# Altium PCB SPG300 Rev05.PcbDoc (part 4 of 8)
Units mm, origin at the board's own origin, x right, y up, seen from the top; angles counter-clockwise.
Board outline 176 x 152 mm, 6 copper layers (Top Layer, GND, Layer 1, Layer 2, PWR, Bottom Layer), stack 1.924 mm thick; 738 components, 393 nets, 2440 pads, 974 vias.
Unrouted connection lines stored in the file: 395.
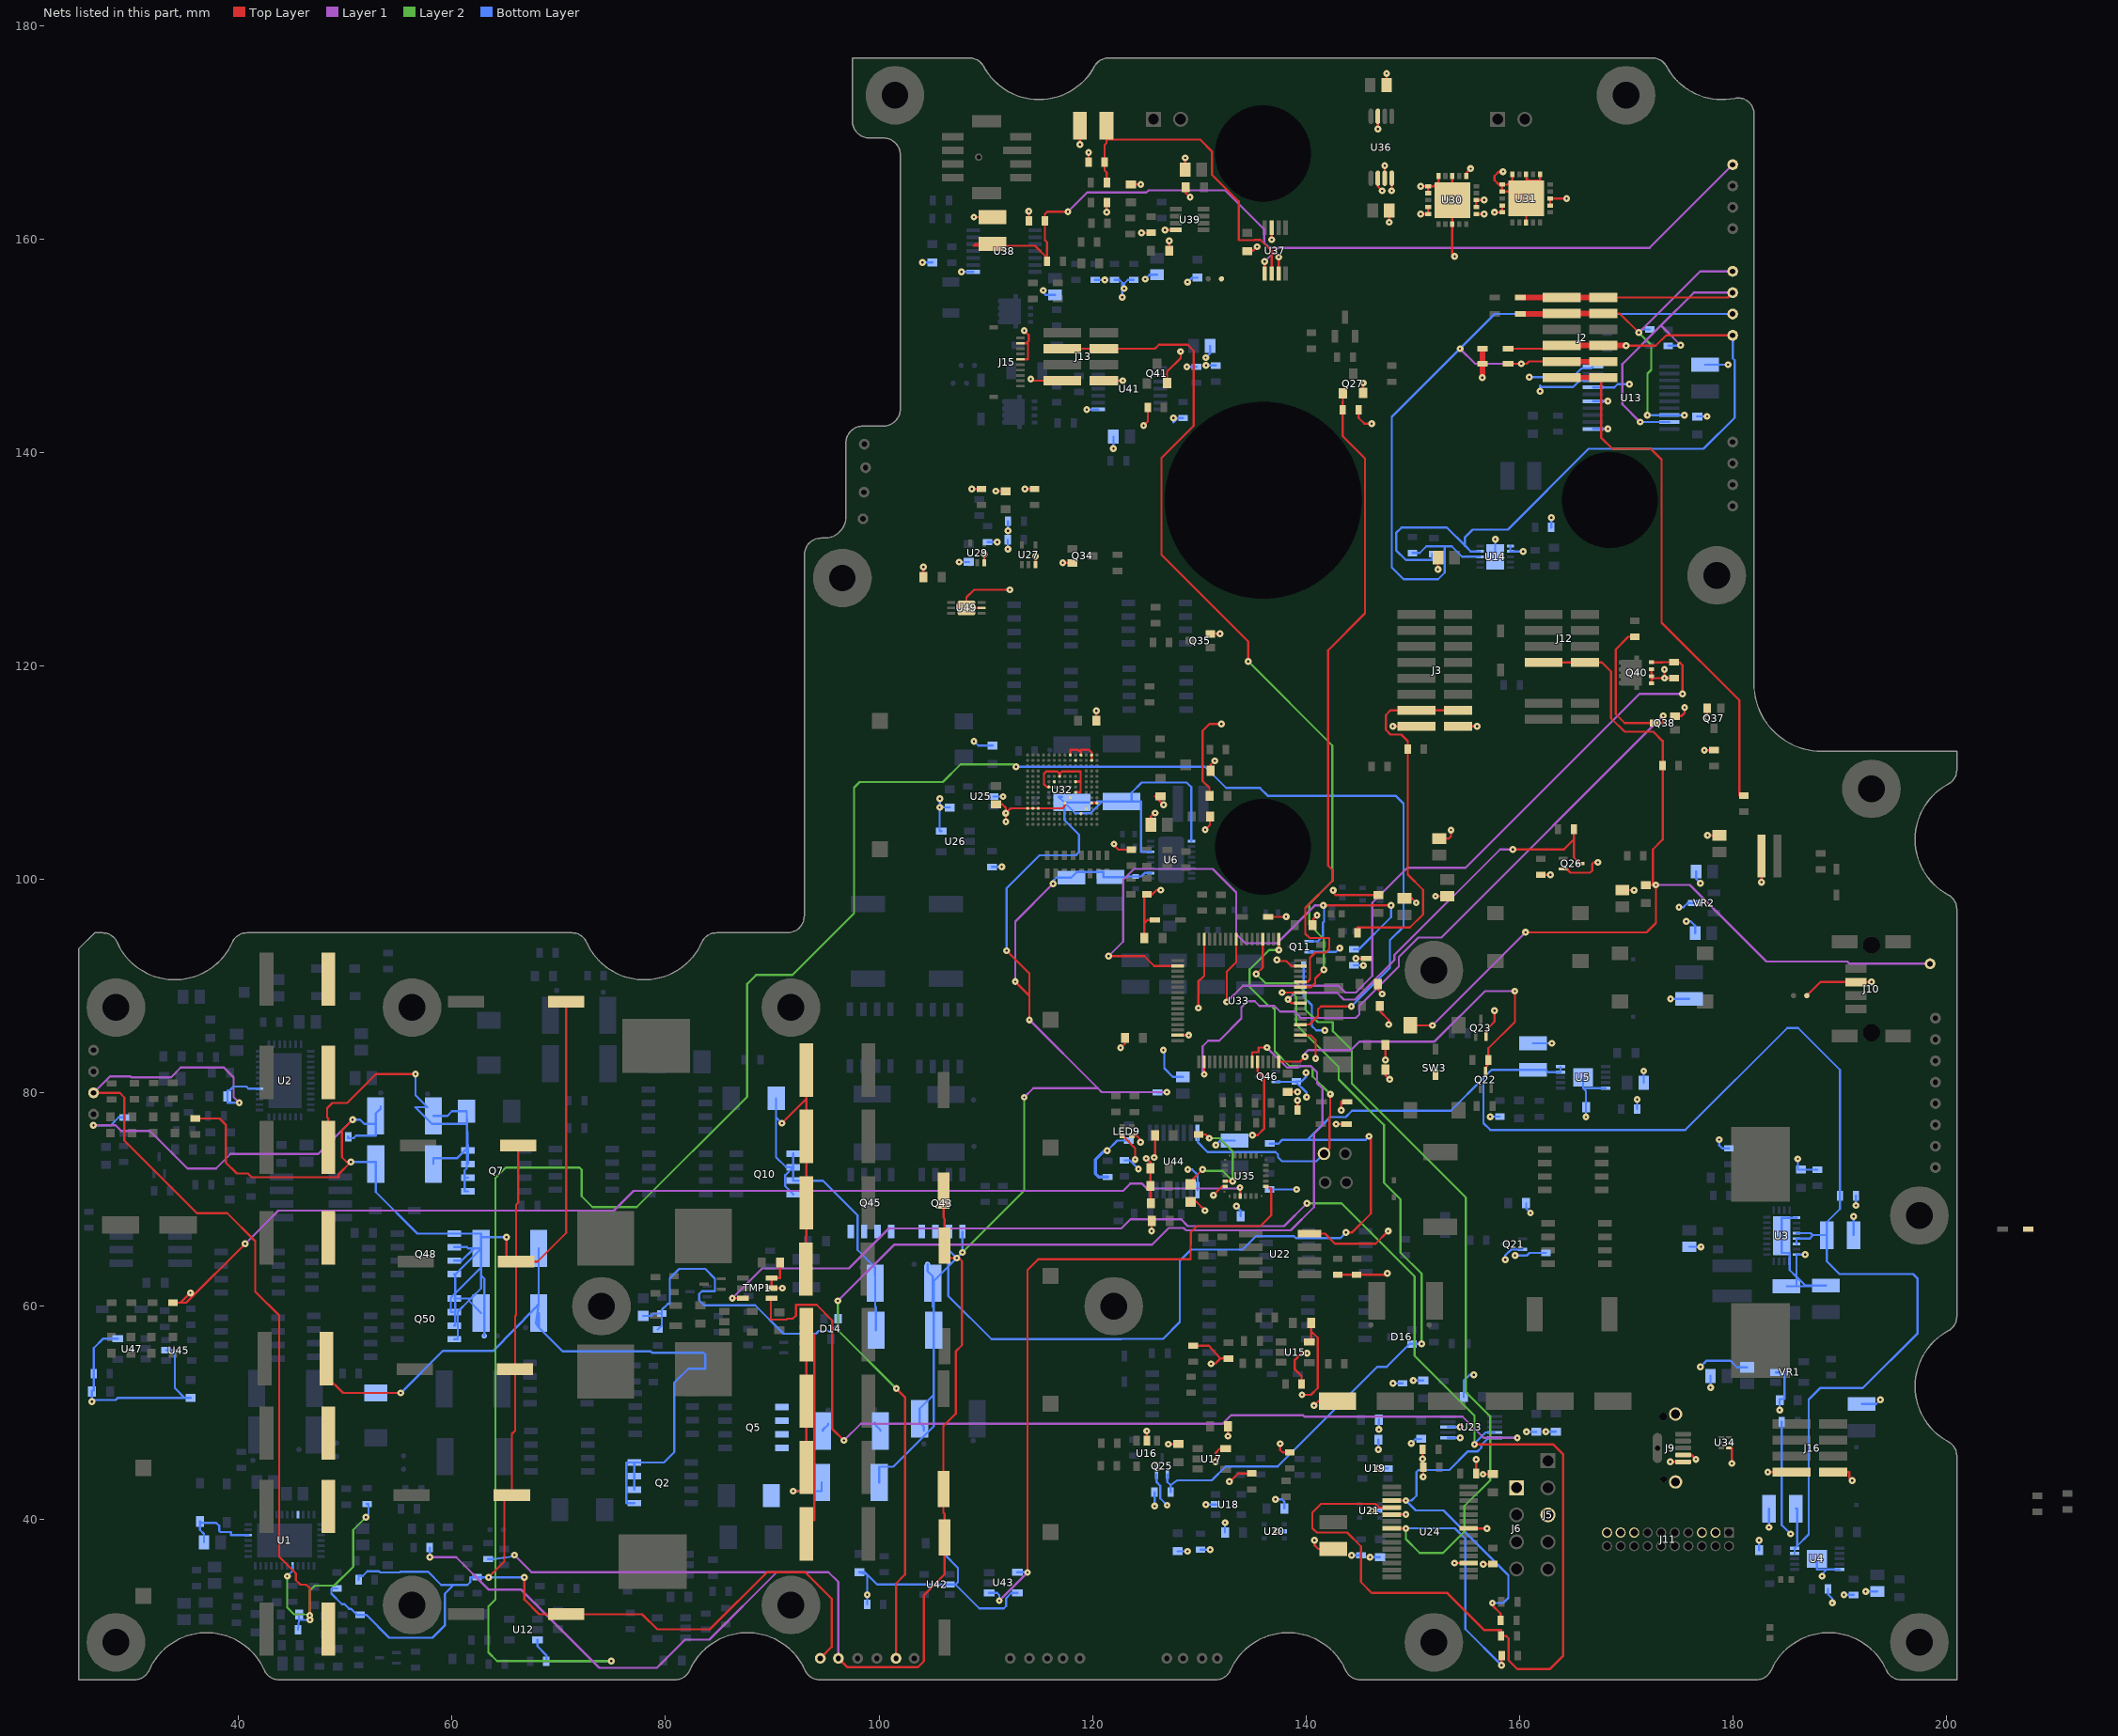
[diagram p8: the nets of this part, all layers, seen from the top]

## Via types
v1: diameter 0.65, hole 0.203, Top Layer to Bottom Layer, 964 vias
v2: diameter 8.5/0.5/0.5/8.5 (per signal layer), hole 4.2, Top Layer to Bottom Layer, 9 vias
v3: diameter 0.905, hole 0.305, Top Layer to Bottom Layer, 1 vias

## Nets (pads, with @x,y where several pads share a name; then routed paths per layer and width w, separated by ;. In a path a pad name is that pad's centre, name@x,y a point inside that pad or via, vN(x,y) a via of type N, cw(c..) or ccw(c..) an arc to the next point about the centre after c; other vN are vias at no path point) (continued)
AI_FCCB_T: R187.1 TH2.2 U35.5 | length 12.7
  Top Layer w0.203: TH2.2@129.2,71.425 129.2,71.695 v1(130.327,72.822) ; R187.1@129.956,76.1 130.604,76.1 v1(130.957,75.747) ; U35.5@132.449,71.725 v1@132.944,71.725 ; v1@132.944,71.725 v1(133.147,71.73) 132.948,71.73 v1@132.944,71.725
  Layer 2 w0.203: v1(130.327,72.822) 130.383,72.822 130.383,72.7 132.176,72.7 v1(133.147,71.73) 133.147,74.518 131.917,75.747 v1(130.957,75.747)
AI_LOAD_I: U35.16 U43.1 U43.4 | length 64
  Top Layer w0.203: v1(113.919,35.052) 113.919,63.398 114.915,64.395 129.196,64.395 129.221,66.94 129.794,67.513 135.738,67.513 136.754,68.529 136.754,71.022 U35.16@136.249,71.225
  Layer 1 w0.203: v1(111.277,32.41) v1(113.919,35.052)
  Bottom Layer w0.203: U43.1@110.333,33.125 111.07,33.125 111.277,32.918 v1(111.277,32.41) ; U43.4@112.963,35.06 113.911,35.06 v1(113.919,35.052)
AI_PMON_EX: C176.1 R207.2 R209.2 U37.2 | length 30.8
  Top Layer w0.203: C176.1@121.325,170.65 121.325,169.342 ; R207.2@121.35,165.31 121.35,166.271 121.149,166.471 R209.2@121.149,167.229 121.149,168.834 121.325,169.01 121.325,169.342 ; U37.2@136.8,156.798 136.8,158.882 135.738,159.944 135.204,159.944 135.179,159.918 133.706,159.918 133.706,163.549 131.195,166.06 131.195,168.25 130.103,169.342 121.325,169.342
AI_PMON_P: C180.1 PMON_P1.1 R215.2 R218.2 U37.1 | length 88.2
  Top Layer w0.203: C180.1@110.65,159.576 109.062,159.576 108.876,159.39 114.628,159.39 R215.2@115.75,158.267 ; R215.2@115.75,157.949 R215.2@115.75,158.267 ; v1(117.704,162.585) 115.772,162.585 115.544,162.357 R218.2@115.544,161.724 115.544,159.922 115.75,159.715 R215.2@115.75,158.267 ; v1(136.144,157.918) 136.15,157.912 U37.1@136.15,156.798
  Layer 1 w0.203: v1(117.704,162.585) 119.507,164.389 125.07,164.389 125.273,164.592 132.436,164.592 136.093,160.934 136.093,159.664 136.55,159.207 137.434,159.207 ; v1(136.144,157.918) 137.434,159.207 ; PMON_P1.1@180,167 172.207,159.207 137.434,159.207
AI_TEMPLIM: D14.2 R101.2 R104.1 TEMPLIM1.1 TH1.1 U33.11 | length 137.3
  Top Layer w0.203: TEMPLIM1.1@101.599,27 101.599,34.02 102.433,34.854 102.433,51.474 v1(101.625,52.281) ; U33.11@134.977,82.9 134.977,83.805 135.56,83.805 135.56,84.252 v1(136.347,84.252)
  Layer 1 w0.203: v1(96.15,60.503) 101.408,65.761 125.578,65.761 127.152,67.335 128.549,67.335 128.778,67.107 138.582,67.107 140.767,69.291 140.767,76.175 141.554,76.962 141.554,80.391 141.046,80.899 141.046,81.94 140.474,82.513 139.373,82.513 139.233,82.372 138.227,82.372 v1(136.347,84.252)
  Layer 2 w0.203: v1(96.15,60.503) 96.15,57.757 v1(101.625,52.281)
  Bottom Layer w0.203: TH1.1@77.9,59.099 78.638,59.099 78.864,59.325 R101.2@79.649,59.325 ; R104.1@79.275,57.825 79.649,58.2 R101.2@79.649,59.325 ; D14.2@96.15,58.826 96.15,58.318 95.515,57.683 94.361,57.683 94.107,57.429 91.059,57.429 88.392,60.096 83.617,60.096 83.16,60.554 83.16,61.163 83.414,61.417 84.633,61.417 84.633,62.586 83.718,63.5 81.28,63.5 80.404,62.624 80.404,60.223 80.213,60.223 79.649,59.66 R101.2@79.649,59.325
AO_DC1_ISET: R98.2 U12.3 U33.20 | length 212.2
  Top Layer w0.203: U33.20@139.477,86.4 140.35,86.4 141.148,87.198 141.148,87.833 141.427,88.113 v1(144.272,88.113)
  Layer 2 w0.203: v1(74.905,26.746) 64.211,26.746 63.398,27.559 63.398,31.852 64.059,32.512 64.059,72.034 65.024,73 71.933,73 72.136,72.796 72.136,70.307 73.152,69.291 77.292,69.291 87.655,79.654 87.655,90.221 88.494,91.059 91.897,91.059 97.663,96.825 97.663,108.61 98.196,109.144 105.994,109.144 107.645,110.795 112.624,110.795 v1(112.852,110.566)
  Bottom Layer w0.203: U12.3@67.991,28.75 67.991,28.139 68.825,27.305 R98.2@68.825,26.746 ; R98.2@68.825,26.724 R98.2@68.825,26.746 ; v1(74.905,26.746) R98.2@68.825,26.746 ; v1(112.852,110.566) 130.556,110.566 132.537,108.585 135.687,108.585 136.423,107.848 148.412,107.848 149.149,107.112 149.149,95.58 147.879,94.31 147.879,91.719 v1(144.272,88.113)
BBFBK: BBFBK1.1 C21.2 C52.2 R20.2 R24.1 U1.5 U2.5 | length 107.3
  Top Layer w0.203: BBFBK1.1@26.4,80 28.854,80 29.286,79.568 29.286,75.54 36.093,68.732 38.921,68.732 41.554,66.099 41.554,61.366 43.79,59.131 43.79,36.522 45.362,34.95 45.362,34.321 45.773,33.909 46.33,33.909 46.66,33.579 v1(46.66,31.013)
  Layer 1 w0.203: BBFBK1.1@26.4,80 27.934,81.534 29.87,81.534 29.947,81.458 33.655,81.458 34.569,82.372 38.608,82.372 39.522,81.458 39.522,79.604 v1(40.056,79.07)
  Layer 2 w0.203: v1(44.552,34.696) 44.552,31.764 45.181,31.135 46.132,31.135 46.666,31.092 v1@46.69,31.09 ; v1(46.69,30.607) v1@46.69,31.09 ; v1(51.918,40.234) 50.724,39.04 50.724,35.585 48.958,33.82 47.142,33.82 46.69,33.368 v1@46.69,31.09
  Bottom Layer w0.203: v1(40.056,79.07) 38.95,79.07 C52.2@38.95,79.675 38.95,80.244 39.162,80.244 39.512,80.594 40.714,80.594 40.908,80.401 U2.5@41.938,80.401 ; v1(44.552,34.696) 45.05,35.195 U1.5@45.05,35.65 ; R24.1@45.55,29.676 45.649,30.607 ; C21.2@45.649,31.101 45.649,30.607 ; v1(46.66,31.013) v1@46.69,31.013 ; v1@46.69,31.09 v1@46.69,31.013 ; v1(51.918,40.234) 52.172,40.488 52.172,41.45 R20.2@52.023,41.45 ; 45.649,30.607 46.66,30.607 v1(46.69,30.607) v1@46.69,31.013
BBIN: BBIN1.1 C5.1 C6.1 C7.1 C32.1 C33.1 C34.1 NT4.2 NT9.2 Q48.D1 Q48.D2 Q48.D3 Q48.D4 Q50.D1 Q50.D2 Q50.D3 Q50.D4 R1.1 R3.1 R13.2 R16.2 R19.2 R34.1 R39.1 R47.2 R49.2 R102.2 R103.2 | length 271.2
  Top Layer w0.203: R47.2@35.924,77.599 38.202,77.599 38.786,77.015 38.786,73.482 39.827,72.441 40.869,72.441 41.214,72.095 49.355,72.095 49.355,72.367 v1(50.521,73.533) 50.114,73.533 49.682,73.965 49.682,76.505 v1(50.673,77.495) ; v1(63.419,34.6) 64.895,36.076 64.895,42.289 C5.1@65.602,42.289 65.602,48.031 65.9,48.33 C7.1@65.9,54.089 65.9,59.08 66,59.18 C34.1@66,64.187 ; v1(65.1,66.472) 65.1,64.187 C34.1@66,64.187 ; C33.1@66.2,75.082 66.2,69.72 66,69.52 C34.1@66,64.187 ; v1(66.777,34.595) 66.777,32.512 68.152,31.137 C6.1@70.7,31.137 77.804,31.137 79.223,29.718 84.15,29.718 89.51,35.077 93.091,35.077 95.58,32.588 95.58,28.081 BBIN1.1@94.5,27 ; C32.1@70.7,88.55 70.688,88.55 70.688,66.878 67.997,64.187 C34.1@66,64.187
  Layer 1 w0.203: v1(26.391,76.962) 28.473,76.962 29.007,76.429 31.674,76.429 35.204,72.898 37.871,72.898 39.243,74.27 47.447,74.27 v1(50.673,77.495)
  Bottom Layer w0.203: v1(26.391,76.962) 28.016,76.962 28.754,77.7 R102.2@29.291,77.7 ; R19.2@49.224,33.549 48.692,33.549 48.692,33.069 49.685,32.077 49.912,32.077 50.343,31.646 50.508,31.646 51.079,31.075 R103.2@51.375,31.075 51.968,31.075 54.113,28.931 58.166,28.931 59.309,30.074 59.309,33.045 60.147,33.884 ; R49.2@50.257,75.891 50.257,75.743 50.749,75.743 51.003,75.997 52.836,75.997 R34.1@52.836,77.089 ; v1(50.521,73.533) 52.85,73.533 R39.1@52.85,73.319 52.85,70.714 56.752,66.811 Q48.D1@60.216,66.811 62.71,66.811 R1.1@62.71,66.472 ; v1(50.673,77.495) 51.366,77.495 51.773,77.089 R34.1@52.836,77.089 ; R16.2@51.24,34.375 51.24,34.723 51.622,34.723 52.052,35.154 53.162,35.154 53.264,35.052 55.093,35.052 55.169,35.128 57.734,35.128 58.979,33.884 60.147,33.884 ; NT9.2@53.308,78.752 53.308,78.527 52.836,78.054 R34.1@52.836,77.847 R34.1@52.836,77.089 ; Q50.D4@60.194,56.919 60.528,56.919 60.528,59.49 61.561,60.523 ; Q50.D3@60.194,58.189 60.3,58.189 Q50.D1@60.3,60.729 ; Q50.D2@60.194,59.459 59.868,59.459 59.868,60.785 60.3,61.217 ; Q50.D1@60.194,60.729 Q50.D1@60.3,60.729 ; Q48.D4@60.216,63.001 Q48.D4@60.303,63.001 ; Q48.D3@60.216,64.271 60.884,64.271 R1.1@62.021,65.408 ; Q48.D2@60.216,65.541 61.392,65.541 61.525,65.408 R1.1@62.021,65.408 ; R3.1@62.721,59.363 61.561,60.523 ; NT4.2@63.014,57.215 63.014,62.586 62.71,62.89 ; v1(65.1,66.472) R1.1@62.71,66.472 ; v1(66.777,34.595) 66.772,34.6 v1(63.419,34.6) R13.2@62.351,34.6 61.697,34.6 61.697,34.138 61.443,33.884 60.147,33.884 ; Q50.D1@60.3,60.729 61.768,60.729 ; Q50.D1@60.3,60.729 60.3,61.217 ; 60.3,61.217 62.71,63.627 ; 60.3,61.217 60.3,62.998 Q48.D4@60.303,63.001 ; Q48.D4@60.303,63.001 R1.1@62.71,65.408 ; 61.561,60.523 61.768,60.729 ; 61.768,60.729 62.71,61.671 62.71,62.89 ; R1.1@62.021,65.408 R1.1@62.71,65.408 ; 62.71,62.89 62.71,63.627 ; 62.71,63.627 R1.1@62.71,65.408 ; R1.1@62.71,65.408 R1.1@62.71,66.472
BBINM: C1.1 C2.1 C3.1 C4.1 D1.C NT5.1 Q2.D1 Q2.D2 Q2.D3 Q2.D4 R1.2 R3.2 | length 76.8
  Top Layer w0.203: C1.1@48.225,55.1 48.225,53.442 49.794,51.873 v1(55.194,51.873)
  Bottom Layer w0.203: D1.C@52.858,51.873 v1(55.194,51.873) 59.151,55.829 63.881,55.829 67.701,59.77 R3.2@68.109,60.192 ; R1.2@68.109,65.408 R3.2@68.109,60.192 ; R3.2@68.121,59.363 68.121,58.683 68.13,58.674 NT5.1@68.13,58 ; Q2.D1@77.079,41.544 76.327,41.544 76.327,45.354 Q2.D4@77.079,45.354 ; Q2.D2@77.079,42.814 Q2.D3@77.079,44.084 Q2.D4@77.079,45.354 ; R3.2@68.109,60.192 67.999,59.38 67.869,58.427 NT5.1@68.13,58 ; NT5.1@68.13,58 70.352,55.778 78.603,55.778 78.735,55.646 83.546,55.646 83.718,55.474 83.718,54.153 82.144,54.153 80.823,52.832 80.823,46.33 79.848,45.354 Q2.D4@77.079,45.354
BBINS: C37.1 C38.1 C39.1 C40.1 D8.C NT10.2 Q7.D1 Q7.D2 Q7.D3 Q7.D4 R34.2 R39.2 | length 44.2
  Top Layer w0.203: C39.1@48.4,74.9 48.4,77.577 48.285,77.691 48.285,78.562 48.768,79.045 50.163,79.045 52.881,81.763 v1(56.566,81.763)
  Bottom Layer w0.203: v1(56.566,81.763) 56.566,79.782 NT10.2@57.697,78.651 56.553,78.651 58.117,77.088 61.365,77.088 ; R34.2@58.236,77.847 59.563,77.847 59.991,78.275 D8.C@61.365,78.275 ; R39.2@58.25,73.319 58.25,73.863 60.451,73.863 Q7.D4@61.365,74.778 ; Q7.D1@61.481,70.779 61.163,70.779 Q7.D2@61.163,72.049 ; Q7.D2@61.481,72.049 Q7.D2@61.163,72.049 ; Q7.D3@61.481,73.319 Q7.D4@61.481,74.589 ; Q7.D2@61.163,72.049 61.163,72.722 61.365,72.923 61.365,73.319 61.365,74.589 Q7.D4@61.365,74.778 ; Q7.D4@61.365,74.778 61.365,77.088 ; Q7.D4@61.365,74.778 Q7.D4@61.481,74.589 ; 61.365,77.088 D8.C@61.365,78.275 ; D8.C@61.365,78.275 Q7.D4@61.481,74.589
BBOUT: BBOUT1.1 C12.1 C13.1 C35.1 C36.1 C65.1 C73.1 C81.1 C96.1 C97.1 C98.1 NT3.2 NT8.2 NT14.2 NT18.2 Q43.D1 Q43.D2 Q43.D3 Q43.D4 Q45.D1 Q45.D2 Q45.D3 Q45.D4 R2.2 R4.2 R17.2 R35.2 R36.2 R60.2 R81.2 R141.1 R167.1 R168.1 R241.2 R242.1 U3.4 U3.5 U3.6 U4.9 U4.10 U5.9 U5.10 U6.1 U6.10 U6.14 | length 516.6
  Top Layer w0.203: BBOUT1.1@96.2,27 97.038,26.162 103.632,26.162 104.216,26.746 104.216,32.942 106.148,34.874 C36.1@106.148,38.346 106.148,40.538 106.039,40.647 C35.1@106.039,42.873 106.039,48.768 107.188,49.917 107.188,55.753 107.772,56.337 107.772,64.237 107.493,64.516 v1(107.29,64.516) 106.149,64.516 C12.1@106.149,65.675 106.149,68.199 106.051,68.297 C13.1@106.051,70.85 ; v1(111.963,93.32) 114.097,91.186 114.097,89.103 ; v1(112.776,90.424) 114.097,89.103 ; v1(114.097,86.843) 114.097,89.103 ; v1(143.764,66.904) 144.323,66.904 146.101,68.682 146.101,75.743 v1(145.923,75.921)
  Layer 1 w0.203: v1(57.9,36.474) 60.376,36.474 63.398,33.452 66.446,33.452 73.787,26.111 79.197,26.111 81.839,28.753 84.099,28.753 90.424,35.077 ; v1(65.837,36.678) 67.437,35.077 90.424,35.077 ; BBOUT1.1@96.2,27 96.2,34.138 95.26,35.077 90.424,35.077 ; v1(112.776,90.424) 112.776,96.063 v1(116.307,99.593) ; v1(113.614,79.578) 114.475,80.439 120.501,80.439 ; v1(114.097,86.843) 120.501,80.439 ; v1(126.975,80.061) 120.879,80.061 120.501,80.439
  Layer 2 w0.203: v1(107.815,65.041) 113.614,70.841 v1(113.614,79.578)
  Bottom Layer w0.203: v1(57.9,36.474) R17.2@57.9,37.374 ; R81.2@63.375,36.3 63.932,36.3 65.71,36.551 v1(65.837,36.678) ; NT3.2@99.599,49.075 99.599,48.938 100.124,48.412 R4.2@100.124,48.307 ; R2.2@100.024,43.473 100.024,44.958 101.346,44.958 105.131,48.743 105.131,62.357 106.502,63.729 ; NT14.2@104.2,48.35 104.2,48.692 103.816,49.077 R141.1@103.816,49.449 103.816,50.394 105.125,51.703 R35.2@105.125,57.749 105.125,59.893 105.05,59.968 R36.2@105.05,62.15 105.05,62.789 104.551,63.288 NT8.2@104.551,63.937 ; Q43.D2@106.545,66.987 106.545,65.261 v1(107.29,64.516) ; Q43.D1@107.815,66.987 v1(107.815,65.041) v1(107.29,64.516) ; v1(111.963,93.32) 111.963,99.187 115.04,102.264 118.446,102.264 118.745,102.563 118.745,104.191 117.373,105.562 R168.1@117.373,107.213 ; v1(116.307,99.593) 116.307,99.847 116.637,100.177 C96.1@118.022,100.177 118.556,100.711 121.031,100.711 121.031,100.228 C97.1@121.688,100.228 123.243,100.228 123.292,100.277 C98.1@124.069,100.277 124.562,100.277 124.885,100.6 U6.10@125.473,100.6 ; NT18.2@117.175,107.749 116.838,107.749 R168.1@117.373,107.213 ; U6.14@125.473,102.6 124.562,102.6 124.562,107.302 R167.1@123.673,107.302 ; R242.1@126.099,80.05 126.964,80.05 v1(126.975,80.061) ; U6.1@129.273,103.6 129.261,103.6 129.261,108.661 128.829,109.093 124.612,109.093 123.673,108.153 R167.1@123.673,107.302 ; R241.2@136.623,75.25 137.445,75.25 137.8,75.606 140.168,75.606 ; v1(143.764,66.904) 143.256,66.396 139.065,66.396 138.887,66.573 135.331,66.573 134.061,65.303 129.235,65.303 128.194,64.262 128.194,58.522 126.619,56.947 122.733,56.947 122.707,56.921 110.541,56.921 106.502,60.96 106.502,63.729 ; v1(145.923,75.921) 145.608,75.606 140.168,75.606 ; U5.10@163.871,82.45 U5.9@163.871,81.95 162.683,81.95 162.484,82.149 C81.1@161.3,82.149 157.404,82.149 156.642,81.387 ; U4.9@185.796,36.838 U4.10@185.796,37.338 185.852,37.338 186.055,37.541 ; C73.1@185.908,41.035 185.908,41.046 186.055,41.046 186.055,37.541 ; U3.6@185.99,65.843 185.979,65.843 185.979,66.343 U3.5@185.99,66.343 187.223,66.343 187.549,66.668 ; U3.4@185.99,66.843 187.3,66.843 187.474,66.668 187.549,66.668 ; 106.502,63.729 106.832,64.059 ; 106.502,63.729 106.502,64.059 106.832,64.059 ; 106.832,64.059 v1(107.29,64.516) ; R168.1@117.373,107.213 118.389,106.197 119.825,106.197 120.929,107.302 ; R168.1@117.373,107.213 117.373,107.225 R168.1@118.076,107.225 120.345,107.225 120.422,107.302 120.929,107.302 ; 120.929,107.302 R167.1@122.726,107.302 R167.1@123.673,107.302 ; 140.168,75.606 142.293,77.731 143.731,77.731 144.332,78.332 153.586,78.332 156.642,81.387 ; 156.642,81.387 156.642,77.165 157.277,76.53 175.565,76.53 185.115,86.081 186.131,86.081 190.05,82.162 R60.2@190.05,70.351 190.05,69.123 188.821,67.894 C65.1@188.821,66.668 ; 186.055,37.541 187.122,38.608 187.122,51.257 188.189,52.324 192.176,52.324 197.333,57.48 197.333,62.586 196.901,63.017 190.015,63.017 188.821,64.211 C65.1@188.821,66.668 ; 187.549,66.668 C65.1@188.821,66.668
BBOUTM: C8.1 C9.1 C10.1 C11.1 D3.C NT2.2 Q5.D1 Q5.D2 Q5.D3 Q5.D4 R2.1 R4.1 | length 40.5
  Top Layer w0.203: v1(91.948,42.672) 93.2,42.672 C10.1@93.2,44.883 C9.1@93.2,51.105 93.2,54.204 C8.1@93.2,57.327 ; C11.1@93.2,38.661 93.2,39.954 93.955,39.954 93.955,57.328 C8.1@93.2,57.327
  Bottom Layer w0.203: v1(91.948,42.672) 94.624,42.672 R2.1@94.624,43.473 ; R4.1@94.724,48.307 94.724,48.387 95.24,48.903 NT2.2@95.24,49
BBOUTS: C41.1 C42.1 C43.1 C44.1 D10.C NT7.2 Q10.D1 Q10.D2 Q10.D3 Q10.D4 R35.1 R36.1 | length 54.8
  Top Layer w0.203: v1(90.903,77.161) 93.2,79.459 ; C44.1@93.15,63.472 93.15,66.548 93.2,66.598 C43.1@93.2,69.694 93.2,72.365 93.2,72.796 C42.1@93.2,75.916 93.2,79.459 ; C41.1@93.2,82.138 93.2,79.459
  Bottom Layer w0.203: D10.C@90.362,79.5 90.362,77.703 ; v1(90.903,77.161) 90.362,77.703 ; Q10.D4@91.969,70.495 91.211,71.253 91.211,72.278 Q10.D2@91.969,73.035 ; Q10.D1@91.969,74.305 Q10.D2@91.969,73.035 ; R35.1@99.725,57.749 99.725,59.893 99.65,59.968 R36.1@99.65,62.15 99.65,62.865 99.615,62.9 NT7.2@99.615,63.664 97.994,65.285 97.994,68.522 94.751,71.765 Q10.D3@91.969,71.765 Q10.D2@91.969,73.035 ; 90.362,77.703 90.362,73.965 91.291,73.035 Q10.D2@91.969,73.035
BSCL1: BSCL1.1 D35.C J2.4 R127.1 U14.9 | length 76
  Top Layer w0.203: D35.C@158.952,149.75 163.678,149.75 J2.4@163.977,150.05 ; v1(170,150.025) 172.796,150.025 173.771,151 BSCL1.1@180,151
  Top Layer w0.5: J2.4@163.977,150.05 J2.4@167.877,150.05 169.975,150.05 v1(170,150.025)
  Bottom Layer w0.203: R127.1@152.001,130.499 151.841,130.499 151.841,129.946 149.377,129.946 148.463,130.861 148.463,132.486 148.971,132.994 153.213,132.994 154.915,131.293 ; U14.9@156.339,130.749 155.458,130.749 ; BSCL1.1@180,151 180,148.854 180.188,148.666 180.188,143.281 177.267,140.36 166.497,140.36 158.928,132.791 155.626,132.791 154.915,132.08 154.915,131.293 ; 154.915,131.293 154.915,131.267 155.433,130.749 155.458,130.749 ; 154.915,131.293 155.458,130.749
BSCL2: BSCL2.1 D37.C J2.1 R125.1 U13.19 | length 45.9
  Top Layer w0.203: J2.1@167.877,154.55 179.55,154.55 BSCL2.1@180,155
  Top Layer w0.5: D37.C@160.102,154.55 J2.1@163.977,154.55 J2.1@167.877,154.55
  Layer 1 w0.203: v1(171.323,142.875) 169.672,144.526 169.672,148.311 173.261,151.9 ; v1(175.125,150.075) 173.299,151.9 173.261,151.9 ; BSCL2.1@180,155 176.361,155 173.261,151.9
  Bottom Layer w0.203: v1(171.315,142.874) v1(171.323,142.875) U13.19@174.059,142.874 ; R125.1@173.953,150.025 175.075,150.025 v1(175.125,150.075)
BSDA1: BSDA1.1 D34.C J2.5 R128.1 U14.8 | length 80.5
  Top Layer w0.203: D34.C@158.952,148.336 v1(160.198,148.336) 160.707,148.336 160.921,148.55 J2.5@163.977,148.55
  Top Layer w0.5: J2.5@163.977,148.55 J2.5@167.877,148.55
  Layer 1 w0.203: v1(154.449,149.75) 155.863,148.336 v1(160.198,148.336)
  Bottom Layer w0.203: R128.1@150.001,130.599 150.673,130.599 151.29,131.216 153.01,131.216 ; U14.8@156.339,130.249 154.637,130.249 153.67,131.216 153.01,131.216 ; BSDA1.1@180,153 157.699,153 148.057,143.358 148.057,129.235 149.149,128.143 152.4,128.143 153.01,128.753 153.01,131.216
BSDA2: BSDA2.1 D36.C J2.2 R124.1 U13.18 | length 36
  Top Layer w0.203: J2.2@167.877,153.05 169.403,153.05 v1(171.196,151.257)
  Top Layer w0.5: D36.C@160.1,153 163.927,153 J2.2@163.977,153.05 J2.2@167.877,153.05
  Layer 1 w0.203: v1(171.196,151.25) 176.946,157 BSDA2.1@180,157
  Layer 2 w0.203: v1(171.203,151.25) 172.364,150.089 172.364,147.777 172.009,147.422 v1(172.009,143.524)
  Bottom Layer w0.203: v1(171.196,151.25) 171.496,151.55 R124.1@172.225,151.55 ; v1(172.009,143.524) U13.18@174.059,143.524 v1(175.461,143.524)
BST2: C16.1 D6.C U1.17 | length 7.6
  Bottom Layer w0.203: D6.C@36.376,39.822 D6.C@36.376,39.7 ; C16.1@36.749,37.875 36.749,38.659 36.376,39.032 D6.C@36.376,39.7 ; U1.17@40.9,38.55 39.294,38.55 39.294,38.837 38.278,38.837 38.176,38.938 38.176,39.421 37.897,39.7 D6.C@36.376,39.7
CARTSW: C109.2 CARTSW.1 J12.4 R226.2 SW3.2 | length 90.9
  Top Layer w0.203: SW3.2@149.801,86.325 v1(151.857,86.325) ; v1(160.579,95.047) 171.938,95.047 172.802,95.91 172.802,99.486 v1@172.796,99.486 ; J12.4@162.275,120.35 J12.4@166.175,120.35 167.737,120.35 168.605,119.482 168.605,115.113 169.875,113.843 172.571,113.843 173.435,112.979 R226.2@173.435,110.67 173.435,103.732 172.522,102.819 172.522,99.573 172.435,99.486 ; C109.2@171.863,99.486 172.435,99.486 ; v1(172.802,99.492) v1@172.796,99.486 ; 172.435,99.486 v1@172.796,99.486